# KiCad board matrix-x02-x06.kicad_pcb
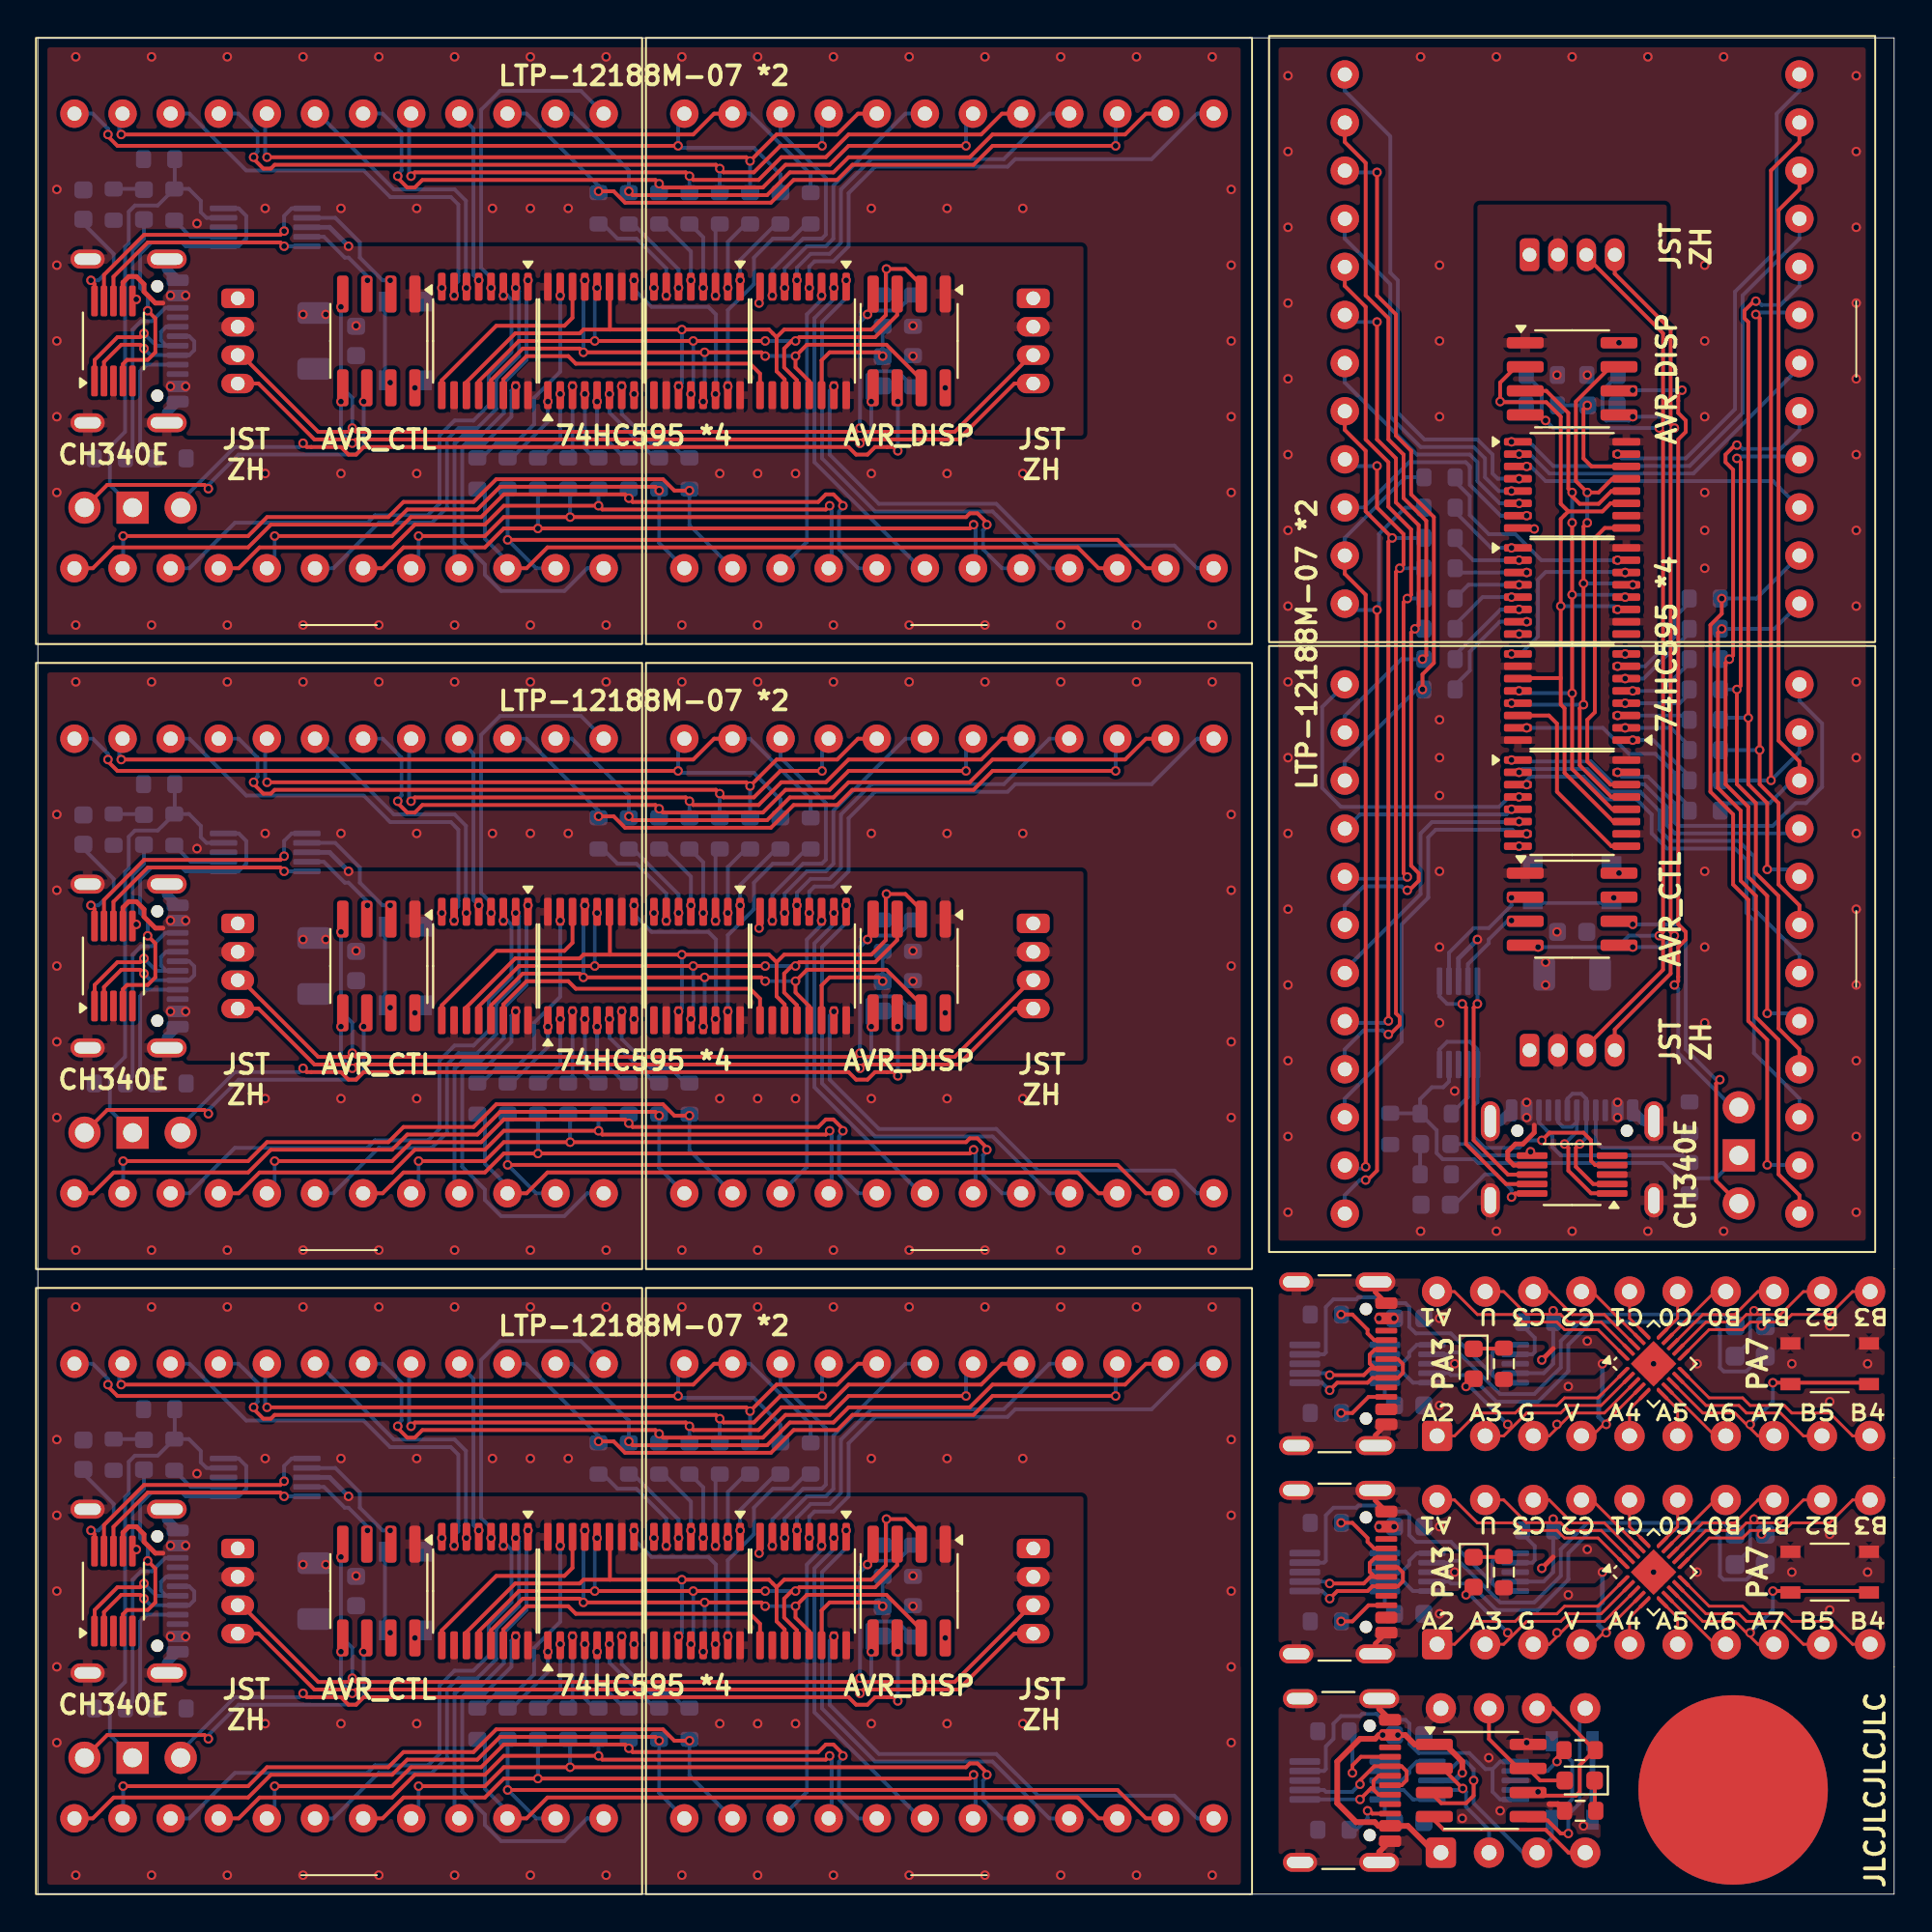
[diagram p0: board, top side]
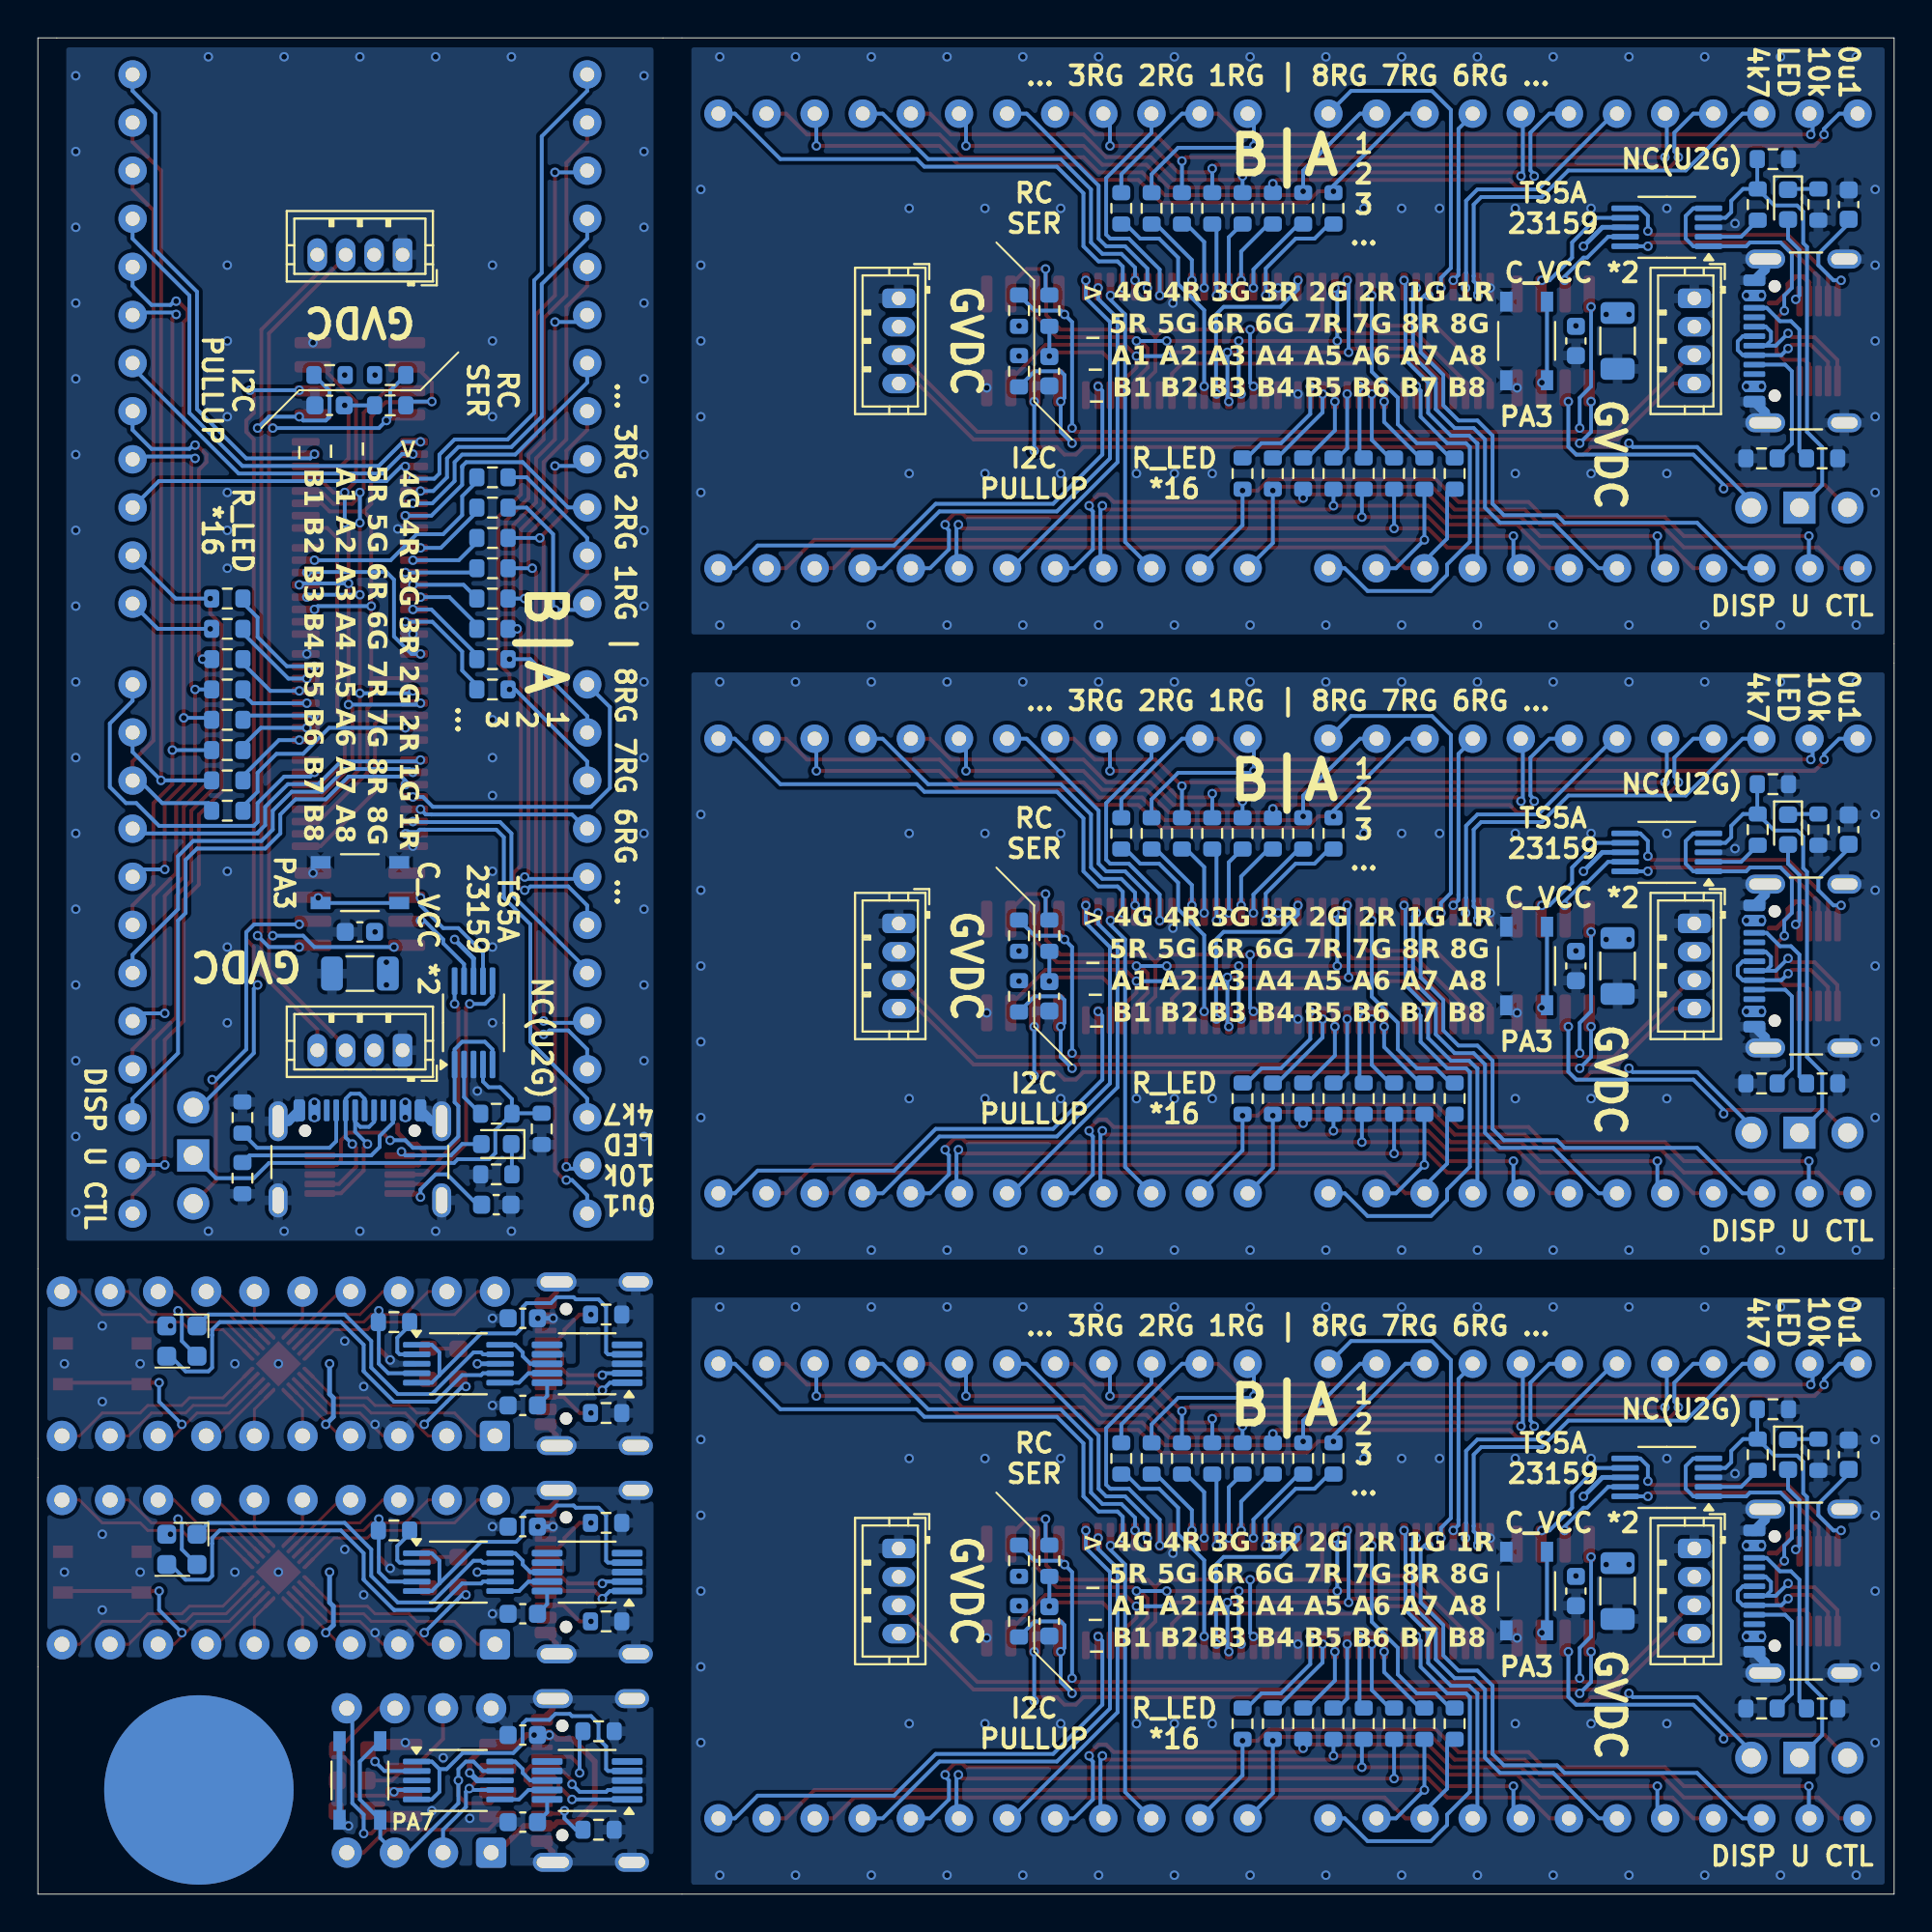
[diagram p1: board, bottom side, seen from below]

Outline 98 x 98 mm; copper layers: Top, Bottom. Coordinates in mm from the lower left corner of the outline.
Outline path: 0,98 0,0 98,0 98,98 0,98

## Placement (name value [footprint] x y rotation side)
C1  10n  [C_0603_1608Metric]  44.6 14.4 270 bottom
C1#2  10n  [C_0603_1608Metric]  44.6 80.4 270 bottom
C1#3  10n  [C_0603_1608Metric]  82.6 78.6 0 bottom
C1#4  4u7  [C_0603_1608Metric]  72.4 8.4 0 bottom
C1#5  10n  [C_0603_1608Metric]  44.6 47.4 270 bottom
C1#6  4u7  [C_0603_1608Metric]  72.4 19.4 0 bottom
C1#7  4u7  [C_0603_1608Metric]  72.4 30.4 0 bottom
C2  0u1  [C_0603_1608Metric]  2.4 23.2 270 bottom
C2#2  0u1  [C_0603_1608Metric]  72.4 25.8 0 bottom
C2#3  0u1  [C_0603_1608Metric]  72.4 3.8 0 bottom
C2#4  0u1  [C_0603_1608Metric]  73.8 36.4 0 bottom
C2#5  0u1  [C_0603_1608Metric]  2.4 89.2 270 bottom
C2#6  0u1  [C_0603_1608Metric]  2.4 56.2 270 bottom
C2#7  0u1  [C_0603_1608Metric]  72.4 14.8 0 bottom
C3  1u  [C_0603_1608Metric]  16.8 16 270 bottom
C3#2  1u  [C_0603_1608Metric]  16.8 82 270 bottom
C3#3  1u  [C_0603_1608Metric]  16.8 49 270 bottom
C3#4  1u  [C_0603_1608Metric]  81 50.8 0 bottom
C4  100u  [C_1206_3216Metric]  14.6 49 270 bottom
C4#2  100u  [C_1206_3216Metric]  14.6 82 270 bottom
C4#3  100u  [C_1206_3216Metric]  81 48.6 0 bottom
C4#4  100u  [C_1206_3216Metric]  14.6 16 270 bottom
D1  -  [LTP-12188M-08]  15.9 49 0 top
D1#2  LED_Small  [LED_0603_1608Metric]  75.8 28 270 top
D1#3  LED  [LED_0603_1608Metric]  81.4 6 180 top
D1#4  LED_Small  [LED_0603_1608Metric]  75.8 17 270 top
D1#5  -  [LTP-12188M-08]  15.9 82 0 top
D1#6  -  [LTP-12188M-08]  15.9 16 0 top
D1#7  -  [LTP-12188M-08]  81 49.9 90 top
D2  -  [LTP-12188M-08]  48.1 49 0 top
D2#2  -  [LTP-12188M-08]  81 82.1 90 top
D2#3  -  [LTP-12188M-08]  48.1 16 0 top
D2#4  -  [LTP-12188M-08]  48.1 82 0 top
D3  LED_TNOW  [LED_0603_1608Metric]  5.6 89.2 270 bottom
D3#2  LED_TNOW  [LED_0603_1608Metric]  73.8 39.6 0 bottom
D3#3  LED_TNOW  [LED_0603_1608Metric]  5.6 23.2 270 bottom
D3#4  LED_TNOW  [LED_0603_1608Metric]  5.6 56.2 270 bottom
J1  Conn_02x10_Counter_Clockwise  [DIP-20_W7.62mm_Socket]  73.87 13.19 90 top
J1#2  Conn_02x10_Counter_Clockwise  [DIP-20_W7.62mm_Socket]  73.87 24.19 90 top
J1#3  I2C  [JST_ZH_B4B-ZR_1x04_P1.50mm_Vertical]  10.55 84.25 270 bottom
J1#4  I2C  [JST_ZH_B4B-ZR_1x04_P1.50mm_Vertical]  10.55 18.25 270 bottom
J1#5  I2C  [JST_ZH_B4B-ZR_1x04_P1.50mm_Vertical]  10.55 51.25 270 bottom
J1#6  I2C  [JST_ZH_B4B-ZR_1x04_P1.50mm_Vertical]  78.75 44.55 0 bottom
J2  USB_C_Receptacle_USB2.0_16P  [USB_C_Receptacle_GCT_USB4105-xx-A_16P_TopMnt_Horizontal]  67.51 28 270 top
J2#2  OUT  [DIP-8_W7.62mm_Socket]  74.07 2.19 90 top
J2#3  USB_C_Receptacle_USB2.0_16P  [USB_C_Receptacle_GCT_USB4105-xx-A_16P_TopMnt_Horizontal]  67.51 17 270 top
J2#4  I2C  [JST_ZH_B4B-ZR_1x04_P1.50mm_Vertical]  78.75 86.55 0 bottom
J2#5  I2C  [JST_ZH_B4B-ZR_1x04_P1.50mm_Vertical]  52.55 18.25 270 bottom
J2#6  I2C  [JST_ZH_B4B-ZR_1x04_P1.50mm_Vertical]  52.55 84.25 270 bottom
J2#7  I2C  [JST_ZH_B4B-ZR_1x04_P1.50mm_Vertical]  52.55 51.25 270 bottom
J3  USB_C_Receptacle_USB2.0_16P  [USB_C_Receptacle_GCT_USB4105-xx-A_16P_TopMnt_Horizontal]  67.71 6 270 top
J3#2  USB_C_Receptacle_USB2.0_16P  [USB_C_Receptacle_GCT_USB4105-xx-A_16P_TopMnt_Horizontal]  81 37.7 180 bottom
J3#3  USB_C_Receptacle_USB2.0_16P  [USB_C_Receptacle_GCT_USB4105-xx-A_16P_TopMnt_Horizontal]  3.7 49 90 bottom
J3#4  USB_C_Receptacle_USB2.0_16P  [USB_C_Receptacle_GCT_USB4105-xx-A_16P_TopMnt_Horizontal]  3.7 82 90 bottom
J3#5  USB_C_Receptacle_USB2.0_16P  [USB_C_Receptacle_GCT_USB4105-xx-A_16P_TopMnt_Horizontal]  3.7 16 90 bottom
JP1  UPDI  [PinHeader_1x03_P2.54mm_Vertical]  7.54 73.2 90 bottom
JP1#2  UPDI  [PinHeader_1x03_P2.54mm_Vertical]  89.8 41.54 180 bottom
JP1#3  4k7  [pokayoke_1608]  90.4 29.2 270 bottom
JP1#4  UPDI  [PinHeader_1x03_P2.54mm_Vertical]  7.54 40.2 90 bottom
JP1#5  4k7  [pokayoke_1608]  90.4 18.2 270 bottom
JP1#6  UPDI  [PinHeader_1x03_P2.54mm_Vertical]  7.54 7.2 90 bottom
NOREF  LOGO  [mcbeeringi_icon_10mm]  89.5 5.5 0 top
NOREF#2  mcbeeringi_icon  [mcbeeringi_icon_5mm]  86.2 16.8 180 bottom
NOREF#3  LOGO  [mcbeeringi_icon_10mm]  59 20 180 bottom
NOREF#4  -  [PCB.MCBEERINGI.DEV_small]  94.8 17 180 bottom
NOREF#5  -  [PCB.MCBEERINGI.DEV_small]  58.8 42 180 bottom
NOREF#6  -  [PCB.MCBEERINGI.DEV_small]  94.8 28 180 bottom
NOREF#7  -  [PCB.MCBEERINGI.DEV_small]  58.8 75 180 bottom
NOREF#8  -  [PCB.MCBEERINGI.DEV_small]  58.8 9 180 bottom
NOREF#9  mcbeeringi_icon  [mcbeeringi_icon_5mm]  86.2 27.8 180 bottom
NOREF#10  LOGO  [mcbeeringi_icon_10mm]  59 86 180 bottom
NOREF#11  LOGO  [mcbeeringi_icon_10mm]  59 53 180 bottom
NOREF#12  LOGO  [mcbeeringi_icon_10mm]  77 93 270 bottom
NOREF#13  -  [PCB.MCBEERINGI.DEV_small]  88 92.8 270 bottom
NOREF#14  -  [PCB.MCBEERINGI.DEV_small]  89.5 5.5 180 bottom
R1  10k  [R_0603_1608Metric]  81.42 4.4 180 top
R1#2  4k7  [R_0603_1608Metric]  68 30.6 180 bottom
R1#3  150R  [R_0603_1608Metric]  40.8 56 90 bottom
R1#4  150R  [R_0603_1608Metric]  40.8 89 90 bottom
R1#5  4k7  [R_0603_1608Metric]  68 19.6 180 bottom
R1#6  150R  [R_0603_1608Metric]  74 74.8 180 bottom
R1#7  150R  [R_0603_1608Metric]  40.8 23 90 bottom
R2  4.7k  [R_0603_1608Metric]  81.4 7.6 0 top
R2#2  150R  [R_0603_1608Metric]  74 73.2 180 bottom
R2#3  4k7  [R_0603_1608Metric]  68 14.4 180 bottom
R2#4  150R  [R_0603_1608Metric]  39.2 23 90 bottom
R2#5  150R  [R_0603_1608Metric]  39.2 89 90 bottom
R2#6  150R  [R_0603_1608Metric]  39.2 56 90 bottom
R2#7  4k7  [R_0603_1608Metric]  68 25.4 180 bottom
R3  150R  [R_0603_1608Metric]  37.6 89 90 bottom
R3#2  4k7  [R_0603_1608Metric]  68.4 8.6 180 bottom
R3#3  150R  [R_0603_1608Metric]  37.6 23 90 bottom
R3#4  150R  [R_0603_1608Metric]  37.6 56 90 bottom
R3#5  150R  [R_0603_1608Metric]  74 71.6 180 bottom
R4  150R  [R_0603_1608Metric]  36 56 90 bottom
R4#2  150R  [R_0603_1608Metric]  74 70 180 bottom
R4#3  4k7  [R_0603_1608Metric]  68.4 3.4 180 bottom
R4#4  150R  [R_0603_1608Metric]  36 89 90 bottom
R4#5  150R  [R_0603_1608Metric]  36 23 90 bottom
R5  150R  [R_0603_1608Metric]  74 68.4 180 bottom
R5#2  4k7  [R_0603_1608Metric]  79.2 19.2 0 bottom
R5#3  150R  [R_0603_1608Metric]  34.4 56 90 bottom
R5#4  4k7  [R_0603_1608Metric]  79.2 30.2 0 bottom
R5#5  150R  [R_0603_1608Metric]  34.4 89 90 bottom
R5#6  150R  [R_0603_1608Metric]  34.4 23 90 bottom
R6  10k  [R_0603_1608Metric]  77.4 17 270 top
R6#2  10k  [R_0603_1608Metric]  77.4 28 270 top
R6#3  150R  [R_0603_1608Metric]  32.8 56 90 bottom
R6#4  150R  [R_0603_1608Metric]  32.8 89 90 bottom
R6#5  150R  [R_0603_1608Metric]  74 66.8 180 bottom
R6#6  150R  [R_0603_1608Metric]  32.8 23 90 bottom
R7  150R  [R_0603_1608Metric]  31.2 89 90 bottom
R7#2  150R  [R_0603_1608Metric]  31.2 23 90 bottom
R7#3  150R  [R_0603_1608Metric]  31.2 56 90 bottom
R7#4  150R  [R_0603_1608Metric]  74 65.2 180 bottom
R8  150R  [R_0603_1608Metric]  29.6 89 90 bottom
R8#2  150R  [R_0603_1608Metric]  29.6 56 90 bottom
R8#3  150R  [R_0603_1608Metric]  29.6 23 90 bottom
R8#4  150R  [R_0603_1608Metric]  74 63.6 180 bottom
R9  150R  [R_0603_1608Metric]  34.4 9 270 bottom
R9#2  150R  [R_0603_1608Metric]  88 68.4 0 bottom
R9#3  150R  [R_0603_1608Metric]  34.4 42 270 bottom
R9#4  150R  [R_0603_1608Metric]  34.4 75 270 bottom
R10  150R  [R_0603_1608Metric]  32.8 75 270 bottom
R10#2  150R  [R_0603_1608Metric]  32.8 42 270 bottom
R10#3  150R  [R_0603_1608Metric]  88 66.8 0 bottom
R10#4  150R  [R_0603_1608Metric]  32.8 9 270 bottom
R11  150R  [R_0603_1608Metric]  31.2 42 270 bottom
R11#2  150R  [R_0603_1608Metric]  88 65.2 0 bottom
R11#3  150R  [R_0603_1608Metric]  31.2 9 270 bottom
R11#4  150R  [R_0603_1608Metric]  31.2 75 270 bottom
R12  150R  [R_0603_1608Metric]  29.6 75 270 bottom
R12#2  150R  [R_0603_1608Metric]  29.6 9 270 bottom
R12#3  150R  [R_0603_1608Metric]  29.6 42 270 bottom
R12#4  150R  [R_0603_1608Metric]  88 63.6 0 bottom
R13  150R  [R_0603_1608Metric]  28 9 270 bottom
R13#2  150R  [R_0603_1608Metric]  88 62 0 bottom
R13#3  150R  [R_0603_1608Metric]  28 42 270 bottom
R13#4  150R  [R_0603_1608Metric]  28 75 270 bottom
R14  150R  [R_0603_1608Metric]  26.4 75 270 bottom
R14#2  150R  [R_0603_1608Metric]  26.4 9 270 bottom
R14#3  150R  [R_0603_1608Metric]  26.4 42 270 bottom
R14#4  150R  [R_0603_1608Metric]  88 60.4 0 bottom
R15  150R  [R_0603_1608Metric]  24.8 75 270 bottom
R15#2  150R  [R_0603_1608Metric]  88 58.8 0 bottom
R15#3  150R  [R_0603_1608Metric]  24.8 9 270 bottom
R15#4  150R  [R_0603_1608Metric]  24.8 42 270 bottom
R16  150R  [R_0603_1608Metric]  23.2 75 270 bottom
R16#2  150R  [R_0603_1608Metric]  23.2 9 270 bottom
R16#3  150R  [R_0603_1608Metric]  88 57.2 0 bottom